# Allegro board 08_041351d.brd (continued)
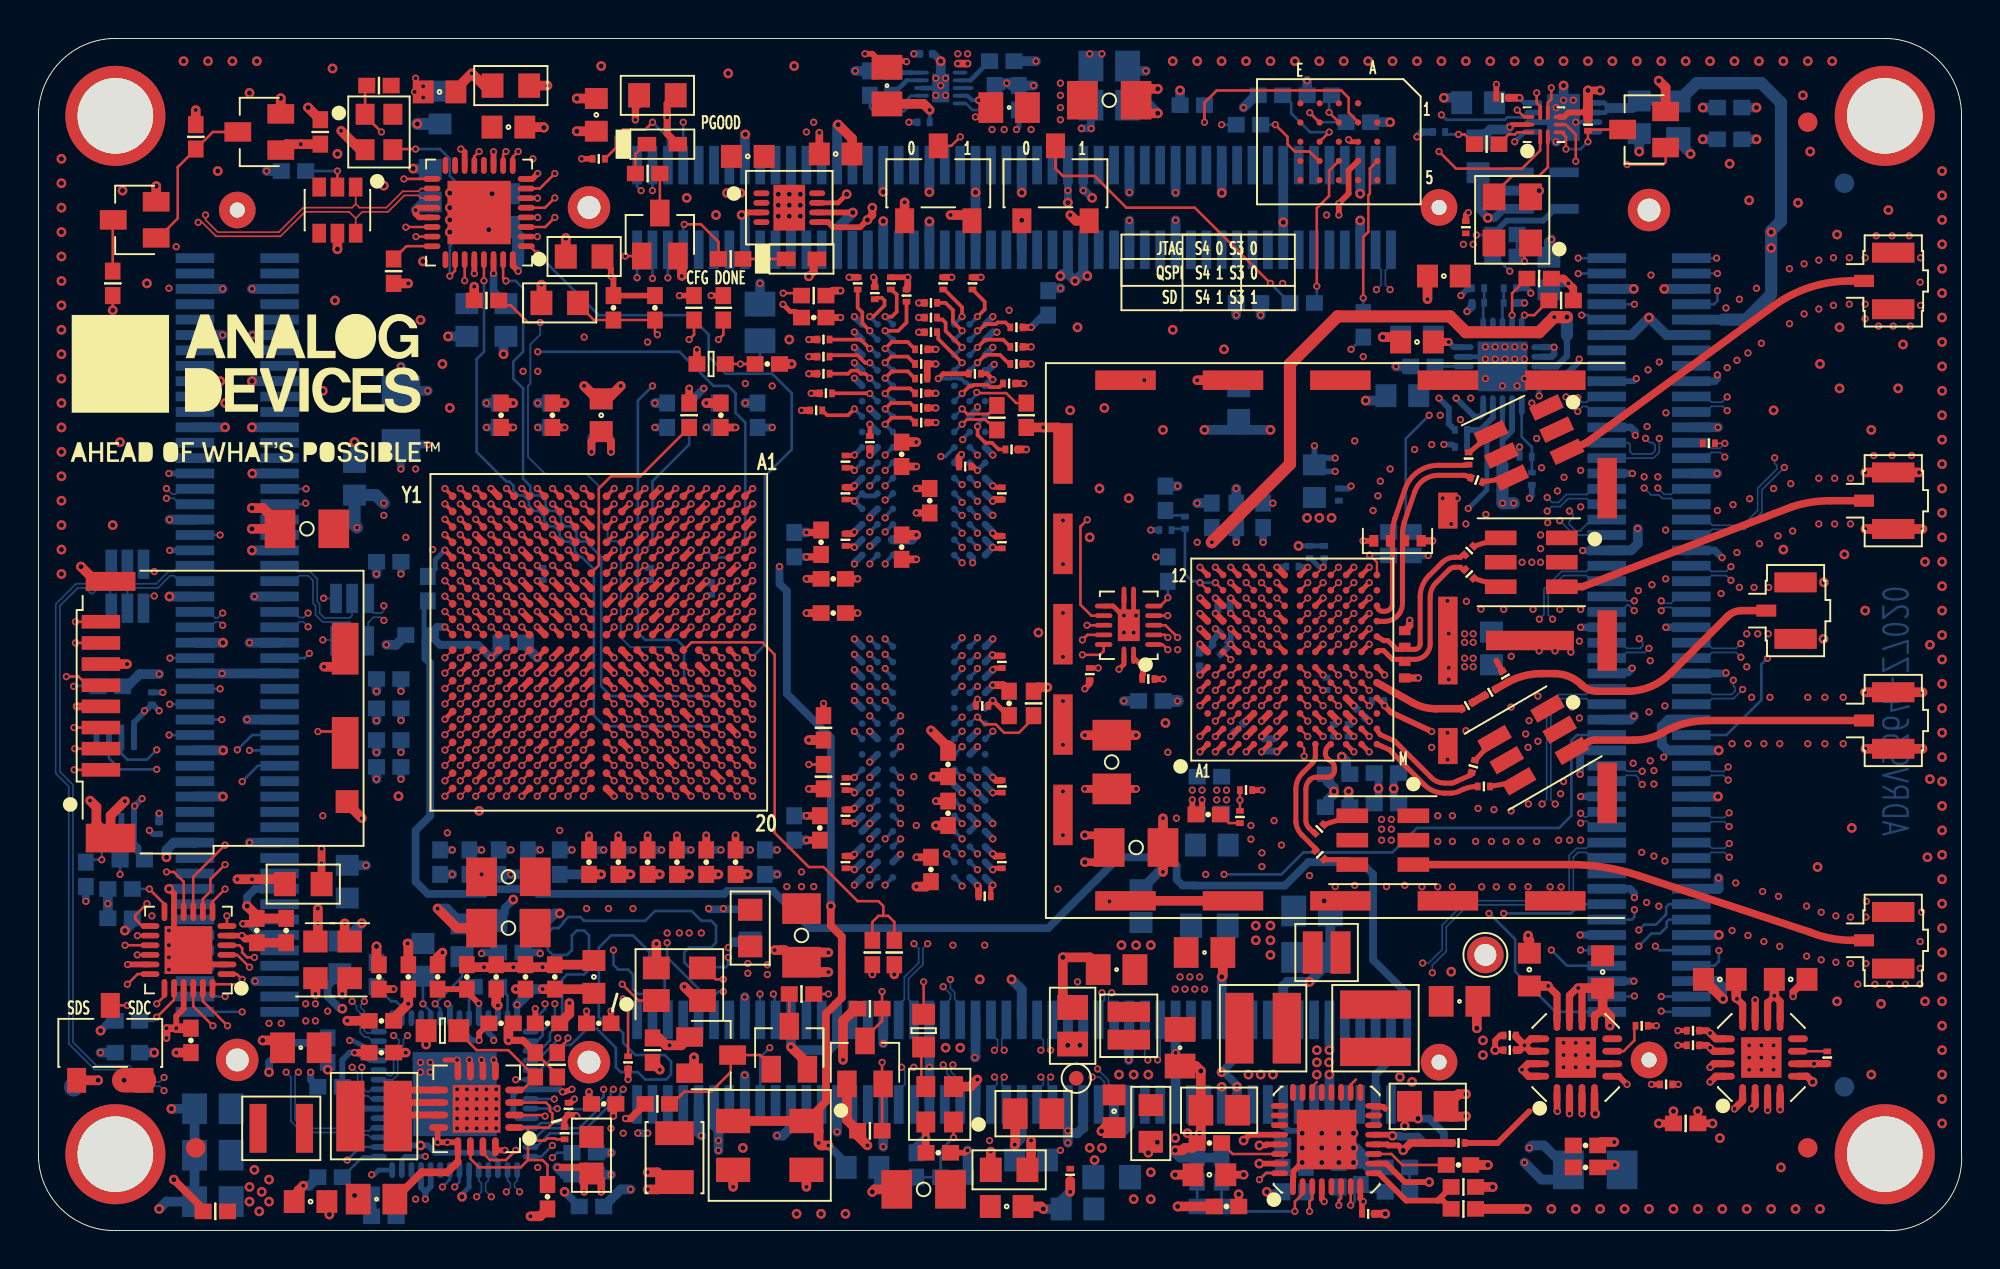
[diagram p0: board, top side]
## Routing (per net, layer and track width the routed paths; a pad name or vN(x,y) marks a point on that pad's centre or on a via; arc(x,y) is an arc through that point) (continued)
IO_L11_SRCC_34_JX4_P: length 94.1
  TOP w0.089: U1.U14 v1(23.54,27.39)
  L12_SIGNAL w0.089: v1(84.38,32.75) 84.25,32.62 83.82,32.62 83.54,32.34 83.54,31.36 84.32,30.59 84.32,29.64 81.28,26.6 81.28,18.47 75.49,12.68 69.12,12.68 68.1,13.7 63.68,13.7 63.17,14.21 58.47,14.21 55.91,11.64 45.47,11.64 44.6,10.78 34.95,10.78 29.87,15.86 24.69,15.86 23.67,16.87 23.67,22.2 23.87,22.39 23.87,27.09 23.57,27.39 v1(23.54,27.39)
  BOTTOM w0.089: v1(84.38,32.75) 84.51,32.62 84.89,32.62 85.24,32.97 JX4.45
IO_L12_MRCC_13_JX2_N: length 53.6
  TOP w0.089: U1.U10 v1(23.54,31.39)
  L12_SIGNAL w0.089: v1(45.52,8.49) 45.26,8.24 45.26,7.47 44.4,6.61 34.7,6.61 30.61,10.7 29.59,10.7 28.88,11.41 28.88,12.5 28.45,12.94 22.28,12.94 21.64,13.57 21.64,14.59 19.99,16.24 19.99,31.2 20.27,31.48 20.75,31.48 20.75,31.48 21,31.72 23.2,31.72 v1(23.54,31.39)
  BOTTOM w0.089: JX2.38 45.53,7.34 45.26,7.6 45.26,8.24 v1(45.52,8.49)
IO_L12_MRCC_13_JX2_P: length 53.6
  TOP w0.089: U1.T9 v1(24.34,32.19)
  L12_SIGNAL w0.089: v1(24.34,32.19) 23.87,31.72 23.87,31.35 23.87,31.25 23.67,31.05 20.95,31.05 20.77,31.22 20.37,31.22 20.25,31.1 20.25,16.34 21.9,14.69 21.9,13.68 22.38,13.19 28.55,13.19 29.14,12.61 29.14,11.52 29.7,10.95 30.71,10.95 34.8,6.86 44.3,6.86 44.96,7.53 44.96,8.42 v1(44.88,8.49)
  BOTTOM w0.089: JX2.36 44.73,7.28 45.05,7.6 45.05,8.33 v1(44.88,8.49)
IO_L12_MRCC_34_JX4_N: length 96.1
  TOP w0.089: v1(23.54,23.39) U1.U19
  L6_SIGNAL w0.089: v1(82.97,32.24) 82.76,32.46 82.01,32.46 81.26,31.71 81.26,22.85 82.98,21.13 82.98,19.82 79.49,16.32 79.49,12.49 79.02,12.02 64.74,12.02 61.34,8.62 61.32,8.62 61.09,8.39 61.09,7.81 59.92,6.64 34.74,6.64 30.72,10.65 29.54,10.65 28.97,11.22 28.97,12.5 25.77,15.7 24.97,15.7 23.93,16.75 23.93,19.92 23.42,20.43 23.42,22.21 23.17,22.46 23.17,22.97 23.54,23.34 v1(23.54,23.39)
  BOTTOM w0.089: v1(82.97,32.24) 82.68,32.53 82.6,32.53 82.24,32.17 JX4.48
IO_L12_MRCC_34_JX4_P: length 96.2
  TOP w0.089: U1.U18 v1(23.54,24.19)
  L6_SIGNAL w0.089: v1(82.98,32.75) 82.98,32.75 82.97,32.75 82.93,32.71 81.9,32.71 81,31.81 81,22.75 82.73,21.02 82.73,19.92 79.24,16.43 79.24,12.6 78.92,12.28 64.63,12.28 61.23,8.87 61.22,8.87 60.84,8.5 60.84,7.92 59.81,6.89 34.84,6.89 30.83,10.9 29.65,10.9 29.23,11.33 29.23,12.61 25.88,15.96 25.08,15.96 24.18,16.85 24.18,20.03 23.67,20.53 23.67,22.21 23.87,22.4 23.87,23.53 23.54,23.86 v1(23.54,24.19)
  BOTTOM w0.089: v1(82.98,32.75) 82.6,32.75 82.38,32.97 JX4.46
IO_L12_MRCC_35_DATA_CLK_N: length 54.2
  TOP w0.127: U1.K18 v1(29.94,24.19) ; U17.H11 v1(66.8,33.69)
  L3_SIGNAL w0.095: v1(29.94,24.19) 29.52,23.77 29.52,22.33 30.96,20.89 40.73,20.89 41.66,19.97 57.7,19.97 v1(59.17,21.44)
  L6_SIGNAL w0.095: v1(66.8,33.69) 66.35,34.14 64.19,34.14 64.06,34.01 64.06,22.46 63.36,21.76 59.49,21.76 v1(59.17,21.44)
IO_L12_MRCC_35_DATA_CLK_P: length 51.1
  TOP w0.127: U17.G11 v1(66,33.69) ; U1.K17 v1(29.94,24.99)
  L7_SIGNAL w0.095: v1(58.73,24.87) 58.73,23.98 54.66,19.92 54.15,19.92 53.34,19.1 45.82,19.1 45.79,19.07 45.5,19.07 45.47,19.1 38.33,19.1 37.26,20.17 36.15,20.17 35.39,20.94 32.69,20.94 31.93,21.7 31.93,24.37 31.65,24.65 31.39,24.65 31.2,24.85 31.2,25.04 30.86,25.38 30.28,25.38 29.94,25.04 v1(29.94,24.99)
  L12_SIGNAL w0.095: v1(66,33.69) 65.64,33.69 65.2,33.26 65.2,31.35 64.82,30.97 64.82,28.81 64.44,28.43 64.26,28.43 64.06,28.23 64.06,28.05 63.64,27.63 63.46,27.63 63.26,27.43 63.26,27.25 62.84,26.83 62.66,26.83 62.46,26.63 62.46,26.45 62.04,26.03 61.86,26.03 61.66,25.83 61.66,25.65 61.27,25.25 59.11,25.25 v1(58.73,24.87)
IO_L13_35_TX_D0_N: length 46.7
  TOP w0.089: U1.H17 v1(31.54,24.99) ; U17.E12 v1(63.6,34.49)
  L7_SIGNAL w0.089: v1(31.54,24.99) 31.54,25.05 31.2,25.38 31.2,25.93 31.4,26.12 31.4,26.12 31.53,26.25 31.67,26.25 32,26.58 32,26.73 32.2,26.92 37.27,26.92 37.47,26.73 37.47,26.42 37.9,25.99 37.9,25.11 39.27,23.73 42.12,23.73 42.29,23.9 43.37,23.9 43.54,23.73 43.99,23.73 44.63,24.37 52.14,24.37 52.57,24.79 52.57,26.19 53.65,27.26 53.65,32.98 55.06,34.4 58.22,34.4 59.23,35.41 62.03,35.41 62.61,34.83 62.94,34.83 63.27,34.49 v1(63.6,34.49)
IO_L13_35_TX_D0_P: length 46.7
  TOP w0.089: U1.H16 v1(31.54,25.79) ; U17.D11 v1(62.8,33.69)
  L7_SIGNAL w0.089: v1(31.54,25.79) 31.69,25.64 31.8,25.64 31.93,25.76 31.93,26.15 32.03,26.25 32.56,26.25 32.71,26.4 32.82,26.4 32.96,26.25 33.31,26.25 33.45,26.4 33.56,26.4 33.71,26.25 34.07,26.25 34.22,26.4 34.33,26.4 34.47,26.25 34.87,26.25 35,26.38 35.23,26.38 35.36,26.25 35.74,26.25 35.74,26.27 35.87,26.4 35.98,26.4 36.12,26.25 36.48,26.25 36.63,26.4 36.74,26.4 36.88,26.25 37.28,26.25 37.64,25.89 37.64,25 39.17,23.48 42.04,23.48 42.29,23.23 43.37,23.23 43.61,23.48 44.1,23.48 44.73,24.11 52.25,24.11 52.82,24.68 52.82,26.08 53.9,27.16 53.9,32.87 55.17,34.14 58.32,34.14 59.34,35.16 61.92,35.16 62.46,34.62 62.46,34.35 62.67,34.15 62.93,34.15 63.02,34.24 63.36,34.24 63.43,34.18 63.43,34 63.19,33.76 62.87,33.76 v1(62.8,33.69)
IO_L13_MRCC_13_JX2_N: length 49.3
  TOP w0.089: U1.Y6 v1(21.14,34.59)
  L15_SIGNAL w0.089: v1(47.42,13.06) 47.13,13.06 46.61,13.57 45.56,13.57 45.09,13.1 45.09,12.36 44.14,11.41 34.08,11.41 30.44,15.04 30.44,18.23 30.09,18.59 30.09,20.05 28.94,21.19 28.94,30.52 28.44,31.03 24.8,31.03 24.67,31.16 24.67,31.53 24.4,31.79 24.06,31.79 23.93,31.92 23.93,32.27 23.67,32.52 23.23,32.52 23.07,32.69 23.07,33.13 22.87,33.32 22.58,33.32 22.4,33.5 22.4,33.8 22.07,34.12 21.79,34.12 21.6,34.32 21.41,34.32 v1(21.14,34.59)
  BOTTOM w0.089: JX2.43 47.93,11.76 47.64,12.05 47.64,12.39 47.42,12.61 v1(47.42,13.06)
IO_L13_MRCC_13_JX2_P: length 49.3
  TOP w0.089: U1.Y7 v1(21.14,33.79)
  L15_SIGNAL w0.089: v1(21.14,33.79) 21.41,34.06 21.5,34.06 21.6,33.96 21.6,33.65 21.8,33.45 22.08,33.45 22.4,33.13 22.4,32.85 22.6,32.65 22.75,32.65 23.07,32.33 23.07,32.02 23.29,31.79 23.7,31.79 23.99,31.5 23.99,31.25 24.27,30.98 24.49,30.98 24.49,30.98 24.69,30.78 28.33,30.78 28.69,30.42 28.69,21.09 29.83,19.94 29.83,18.48 30.19,18.13 30.19,14.94 33.97,11.16 44.25,11.16 45.34,12.25 45.34,13 45.66,13.32 46.5,13.32 46.71,13.11 46.71,12.94 46.54,12.68 46.54,12.55 46.66,12.43 46.79,12.43 v1(47.04,12.68)
  BOTTOM w0.089: JX2.41 47.13,11.75 47.42,12.05 47.42,12.3 v1(47.04,12.68)
IO_L13_MRCC_34_JX4_N: length 83.7
  TOP w0.089: U1.P19 v1(25.94,23.39)
  L13_SIGNAL w0.089: v1(25.94,23.39) 26.18,23.64 26.31,23.64 26.4,23.54 26.4,23.25 26.6,23.05 27.04,23.05 27.2,22.89 27.2,22.45 27.48,22.17 27.62,22.17 28.73,21.06 34.87,21.06 40.46,15.48 44.4,15.48 45.32,16.39 67.34,16.39 68.05,17.1 79.48,17.1 80.9,18.52 80.9,29.73 82.58,31.41 83.43,31.41 85.03,29.82 v1(88.52,29.82)
  BOTTOM w0.089: v1(88.52,29.82) 88.27,30.06 87.03,30.06 86.74,29.77 JX4.53
IO_L13_MRCC_34_JX4_P: length 83.6
  TOP w0.089: U1.N18 v1(26.74,24.19)
  L13_SIGNAL w0.089: v1(88.52,30.53) 88.06,30.07 85.13,30.07 83.53,31.67 82.48,31.67 80.65,29.84 80.65,18.62 79.38,17.36 67.95,17.36 67.24,16.64 45.21,16.64 44.3,15.73 40.57,15.73 34.98,21.32 28.83,21.32 27.87,22.28 27.87,22.74 27.56,23.05 27.4,23.05 27.2,23.25 27.2,23.4 26.87,23.72 26.58,23.72 26.49,23.82 26.49,23.94 v1(26.74,24.19)
  BOTTOM w0.089: JX4.51 86.73,30.57 87.03,30.28 88.27,30.28 v1(88.52,30.53)
IO_L14_35_TX_D1_N: length 41.2
  TOP w0.089: U1.H18 v1(31.54,24.19) ; U17.E11 v1(63.6,33.69)
  L3_SIGNAL w0.089: v1(63.6,33.69) 63.6,33.68 63.2,33.28 63.2,32.63 63.06,32.49 60.17,32.49 59.96,32.71 59.69,32.71 58.9,33.5 57.02,33.5 56.76,33.23 42.08,33.23 39.32,30.47 39.32,27.32 38.74,26.74 37.8,26.74 37.67,26.61 37.67,26.47 37.39,26.19 32.11,26.19 31.93,26.02 31.93,24.45 31.84,24.37 31.71,24.37 v1(31.54,24.19)
IO_L14_35_TX_D1_P: length 41.1
  TOP w0.089: U17.D10 v1(62.8,32.89) ; U1.J18 v1(30.74,24.19)
  L3_SIGNAL w0.089: v1(30.74,24.19) 31.14,24.6 31.14,26.79 31.34,26.99 38.63,26.99 39.07,27.43 39.07,30.58 41.97,33.48 56.65,33.48 56.92,33.75 59.01,33.75 59.79,32.96 59.97,32.96 60.3,33.29 62.69,33.29 62.8,33.19 v1(62.8,32.89)
IO_L14_SRCC_13_JX2_N: length 57.1
  TOP w0.089: U1.Y8 v1(21.14,32.99)
  L12_SIGNAL w0.089: v1(47.55,8.62) 47.55,7.35 45.75,5.54 33.73,5.54 28.67,10.6 22.7,10.6 22.02,11.28 22.02,11.94 20.12,13.85 20.12,14.84 19.23,15.73 19.23,31.46 19.74,31.96 19.74,32.71 20.01,32.99 v1(21.14,32.99)
  BOTTOM w0.089: JX2.44 47.93,7.31 47.64,7.6 47.64,8.07 47.45,8.26 47.45,8.52 v1(47.55,8.62)
IO_L14_SRCC_13_JX2_P: length 57
  TOP w0.089: U1.Y9 v1(21.14,32.19)
  L12_SIGNAL w0.089: v1(47.04,8.62) 47.17,8.49 47.21,8.49 47.21,8.48 47.21,8.48 47.3,8.4 47.3,8.24 47.17,8.11 46.92,8.11 46.79,7.98 46.79,7.86 46.92,7.73 47.17,7.73 47.3,7.6 47.3,7.45 45.64,5.8 33.84,5.8 28.78,10.86 22.81,10.86 22.28,11.39 22.28,12.05 20.37,13.95 20.37,14.95 19.48,15.83 19.48,31.35 19.99,31.86 19.99,32.61 20.12,32.73 20.74,32.73 20.83,32.65 20.83,32.49 v1(21.14,32.19)
  BOTTOM w0.089: v1(47.04,8.62) 47.23,8.43 47.23,8.17 47.42,7.98 47.42,7.6 47.13,7.31 JX2.42
IO_L14_SRCC_34_JX4_N: length 81.1
  TOP w0.089: U1.P20 v1(25.94,22.59)
  L13_SIGNAL w0.089: v1(83.74,30.28) 83.25,29.79 82.48,29.79 82.09,29.4 82.09,18.09 80.19,16.19 77.27,16.19 76.79,15.7 67.69,15.7 64.92,12.94 62.99,12.94 61.39,14.54 59.14,14.54 58.55,13.95 54.36,13.95 53.8,13.39 52.04,13.39 51.81,13.62 45.46,13.62 44.22,14.87 39.9,14.87 37.39,17.38 32.18,17.38 31.55,18.02 31.55,18.65 31.17,19.03 27.48,19.03 25.94,20.58 v1(25.94,22.59)
  BOTTOM w0.089: v1(83.74,30.28) 83.53,30.06 82.56,30.06 82.27,29.77 JX4.54
IO_L14_SRCC_34_JX4_P: length 81.1
  TOP w0.089: U1.N20 v1(26.74,22.59)
  L13_SIGNAL w0.089: v1(83.24,30.78) 83.24,30.49 83.32,30.4 83.32,30.22 83.15,30.04 82.37,30.04 81.84,29.51 81.84,18.19 80.09,16.44 77.17,16.44 76.68,15.96 67.59,15.96 64.82,13.19 63.1,13.19 61.49,14.79 59.03,14.79 58.45,14.21 54.25,14.21 53.69,13.65 52.15,13.65 51.92,13.88 45.57,13.88 44.32,15.12 40.01,15.12 37.5,17.63 32.29,17.63 31.8,18.12 31.8,18.76 31.27,19.29 27.59,19.29 26.19,20.69 26.19,22.23 26.28,22.32 26.47,22.32 v1(26.74,22.59)
  BOTTOM w0.089: v1(83.24,30.78) 83.42,30.6 83.42,30.41 83.29,30.28 82.58,30.28 82.29,30.57 JX4.52
IO_L15_13_JX2_N: length 57.3
  TOP w0.089: U1.W8 v1(21.94,32.99)
  L4_SIGNAL w0.089: v1(21.94,32.99) 21.52,32.57 20.87,32.57 20.73,32.43 20.73,32.18 20.6,32.05 20.09,32.05 19.36,31.32 19.36,20.83 21.16,19.03 25.52,19.03 26.79,17.76 36.78,17.76 38.94,15.6 41.7,15.6 42.47,14.84 42.47,8.49 43.23,7.73 47.86,7.73 48.48,8.35 49.88,8.35 50.22,8.68 v1(50.22,9.38)
  BOTTOM w0.089: JX2.49 50.33,10.19 50.09,9.95 50.09,9.51 v1(50.22,9.38)
IO_L15_13_JX2_P: length 57.3
  TOP w0.089: U1.V8 v1(22.74,32.99)
  L4_SIGNAL w0.089: v1(22.74,32.99) 22.34,32.59 22.34,32.07 22.07,31.79 20.19,31.79 19.61,31.21 19.61,20.94 21.26,19.29 25.62,19.29 26.89,18.02 36.88,18.02 39.04,15.86 41.81,15.86 42.72,14.94 42.72,8.6 43.34,7.98 47.75,7.98 48.38,8.6 49.78,8.6 49.96,8.79 49.96,9.13 v1(49.71,9.38)
  BOTTOM w0.089: JX2.47 49.53,10.26 49.87,9.91 49.87,9.54 v1(49.71,9.38)
IO_L15_34_JX4_N: length 87.5
  TOP w0.089: U1.U20 v1(23.54,22.59)
  L7_SIGNAL w0.089: v1(23.54,22.59) 23.54,16.5 24.18,15.86 26.49,15.86 27.38,14.97 31.24,14.97 32.63,13.57 33.58,13.57 34.47,12.68 34.47,11.92 35.49,10.9 40.44,10.9 40.95,11.41 65.94,11.41 71.28,16.75 73.59,16.75 74.28,17.44 74.28,22.29 74.71,22.71 78.03,22.71 80.32,25 85.47,25 v1(88.61,28.14)
  BOTTOM w0.089: v1(88.61,28.14) 88.14,27.66 87.03,27.66 86.74,27.37 JX4.59
IO_L15_34_JX4_P: length 87.5
  TOP w0.089: U1.T20 v1(24.34,22.59)
  L7_SIGNAL w0.089: v1(88.13,28.62) 88.13,28.01 85.37,25.25 80.21,25.25 77.92,22.97 74.6,22.97 74.03,22.4 74.03,17.55 73.48,17 71.17,17 65.84,11.67 40.84,11.67 40.33,11.16 35.59,11.16 34.72,12.02 34.72,12.79 33.69,13.82 32.74,13.82 31.34,15.22 27.48,15.22 26.6,16.11 24.29,16.11 23.79,16.61 23.79,22.28 23.92,22.41 24.16,22.41 v1(24.34,22.59)
  BOTTOM w0.089: v1(88.13,28.62) 88.13,28.34 88.23,28.24 88.23,28.06 88.05,27.88 87.04,27.88 86.75,28.17 JX4.57
IO_L15_35_TX_D2_N: length 54.5
  TOP w0.089: U17.E10 v1(63.6,32.89) ; v1(33.14,22.59) U1.F20
  L6_SIGNAL w0.089: v1(63.6,32.89) 63.81,32.68 63.81,32.62 63.68,32.49 63.17,32.49 63.09,32.58 63.09,32.71 63.13,32.75 63.13,33.03 62.94,33.23 62.66,33.23 62.33,33.55 62.33,33.83 62.14,34.03 59.86,34.03 59.85,34.02 58.49,34.02 57.8,33.32 57.8,28.33 52.19,22.71 52.19,16.05 50.6,14.46 42.26,14.46 41.37,15.35 40.92,15.35 39.91,16.36 37.01,16.36 35.61,17.76 33.77,17.76 33.26,18.27 33.26,19.95 32.68,20.53 32.68,21.69 32.95,21.96 32.95,22.4 v1(33.14,22.59)
IO_L15_35_TX_D2_P: length 54.4
  TOP w0.089: v1(33.14,23.39) U1.F19 ; U17.D9 v1(62.8,32.09)
  L6_SIGNAL w0.089: v1(33.14,23.39) 32.69,22.94 32.69,22.07 32.42,21.8 32.42,20.42 33.01,19.84 33.01,18.17 33.67,17.51 35.51,17.51 36.9,16.11 39.8,16.11 40.82,15.09 41.26,15.09 42.15,14.21 50.7,14.21 52.44,15.94 52.44,22.61 58.05,28.22 58.05,33.22 58.6,33.76 59.85,33.76 60.26,33.36 62.17,33.36 62.44,33.09 62.44,32.77 62.66,32.56 62.72,32.56 62.91,32.37 62.91,32.21 v1(62.8,32.09)
IO_L16_13_JX2_N: length 49.7
  TOP w0.089: U1.W9 v1(21.94,32.19)
  L15_SIGNAL w0.089: v1(50.22,7.98) 49.96,8.24 49.96,8.48 49.33,9.12 49.33,9.61 48.29,10.65 33.62,10.65 30.38,13.89 29.9,13.89 29.2,14.59 29.2,17.38 28.69,17.89 28.69,19.86 28.06,20.49 28.06,21.25 27.67,21.63 27.67,22.02 27.93,22.27 27.93,29.89 27.42,30.4 24.4,30.4 23.79,31.01 22.51,31.01 22.3,31.21 22.3,31.82 v1(21.94,32.19)
  BOTTOM w0.089: JX2.50 50.33,7.36 50.09,7.6 50.09,7.86 v1(50.22,7.98)
IO_L16_13_JX2_P: length 49.8
  TOP w0.089: U1.W10 v1(21.94,31.39)
  L15_SIGNAL w0.089: v1(49.71,7.98) 49.71,8.38 49.07,9.01 49.07,9.51 48.19,10.4 33.52,10.4 30.28,13.63 29.79,13.63 28.94,14.48 28.94,17.28 28.44,17.78 28.44,19.75 27.8,20.39 27.8,21.15 27.42,21.53 27.42,22.02 27.17,22.27 27.17,30.02 27.04,30.14 24.29,30.14 23.68,30.75 22.05,30.75 21.52,31.29 21.52,31.68 21.63,31.79 21.82,31.79 21.94,31.68 v1(21.94,31.39)
  BOTTOM w0.089: JX2.48 49.53,7.29 49.84,7.6 49.84,7.86 v1(49.71,7.98)
IO_L16_34_JX4_N: length 90
  TOP w0.089: v1(21.94,22.59) U1.W20
  L7_SIGNAL w0.089: v1(21.94,22.59) 21.94,16.07 23.04,14.97 26.21,14.97 27.23,13.95 31.17,13.95 35.1,10.01 40.82,10.01 41.52,10.71 66.39,10.71 68.28,12.61 76.47,12.61 77.63,13.76 80.71,13.76 81.97,15.02 81.97,18.68 81.39,19.26 79.05,19.26 78.6,19.71 78.6,20.67 78.87,20.93 v1(78.87,22.18)
  BOTTOM w0.089: v1(78.87,22.18) 78.64,22.41 78.64,27.16 79.14,27.66 80.48,27.66 80.78,27.37 JX4.60
IO_L16_34_JX4_P: length 90
  TOP w0.089: U1.V20 v1(22.74,22.59)
  L7_SIGNAL w0.089: v1(78.18,22.18) 78.39,21.98 78.51,21.98 78.61,21.88 78.61,21.04 78.35,20.77 78.35,19.6 78.94,19.01 81.28,19.01 81.71,18.57 81.71,15.12 80.6,14.01 77.52,14.01 76.37,12.86 68.18,12.86 66.28,10.97 41.41,10.97 40.71,10.27 35.21,10.27 31.27,14.21 27.34,14.21 26.32,15.22 23.14,15.22 22.19,16.18 22.19,22.04 v1(22.74,22.59)
  BOTTOM w0.089: v1(78.18,22.18) 78.42,22.42 78.42,27.25 79.05,27.88 80.46,27.88 80.76,28.17 JX4.58
IO_L16_35_TX_D3_N: length 52.9
  TOP w0.089: U17.E9 v1(63.6,32.09) ; U1.G18 v1(32.34,24.19)
  L12_SIGNAL w0.089: v1(63.6,32.09) 63.55,32.05 63.55,31.86 63.43,31.73 63.3,31.73 63.13,31.9 63.13,32.23 63.09,32.28 62.96,32.41 62.94,32.43 62.79,32.43 62.46,32.75 62.46,32.9 62.14,33.23 61.98,33.23 61.66,33.55 61.66,33.7 61.34,34.03 60.26,34.03 59.99,33.76 58.35,33.76 57.84,33.26 57.84,28.18 56.06,26.4 51.89,26.4 50.22,24.72 50.22,17.94 49.4,17.13 44.76,17.13 43.99,16.36 40.67,16.36 39.65,17.38 38.91,17.38 37.06,19.24 37.04,19.26 37.01,19.29 37,19.3 35.74,20.56 35.73,20.56 35.71,20.59 35.7,20.6 34.85,21.44 33.05,21.44 32.44,22.06 32.44,22.21 32.69,22.46 32.69,23.86 32.36,24.19 v1(32.34,24.19)
IO_L16_35_TX_D3_P: length 52.9
  TOP w0.089: U1.G17 v1(32.34,24.99) ; U17.D8 v1(62.8,31.29)
  L12_SIGNAL w0.089: v1(62.8,31.29) 62.8,31.62 62.46,31.95 62.46,32.1 62.14,32.43 61.99,32.43 61.66,32.75 61.66,32.96 61.27,33.36 60.14,33.36 59.99,33.51 58.45,33.51 58.09,33.15 58.09,28.07 56.16,26.14 52,26.14 50.47,24.62 50.47,17.84 49.51,16.87 44.86,16.87 44.1,16.11 40.57,16.11 39.55,17.13 38.81,17.13 36.87,19.07 36.85,19.09 36.85,19.09 36.84,19.1 35.55,20.39 35.54,20.39 35.53,20.4 35.53,20.41 34.74,21.19 32.95,21.19 32.18,21.95 32.18,22.21 32,22.39 32,24.33 32.34,24.66 v1(32.34,24.99)
IO_L17_13_JX2_N: length 55.6
  TOP w0.089: U1.U8 v1(23.54,32.99)
  L4_SIGNAL w0.089: v1(23.54,32.99) 23.95,32.57 23.95,31.26 23.68,30.98 23.36,30.98 22.71,30.33 20.92,30.33 20.44,29.85 20.44,22.63 22.26,20.81 26.19,20.81 27.72,19.29 37.37,19.29 38.03,18.63 38.03,18.02 38.53,17.51 40.91,17.51 40.93,17.53 41.47,17.53 41.49,17.51 47.93,17.51 52.63,12.81 v1(52.63,9.38)
  BOTTOM w0.089: v1(52.63,9.38) 52.48,9.53 52.48,9.93 52.73,10.17 JX2.55
IO_L17_13_JX2_P: length 55.7
  TOP w0.089: U1.U9 23.93,31.79 23.54,32.18 v1(23.54,32.19)
  L4_SIGNAL w0.089: v1(52.12,9.38) 51.85,9.65 51.85,9.83 52,9.98 52.25,9.98 52.38,10.1 52.38,12.7 47.83,17.25 41.38,17.25 41.37,17.27 41.03,17.27 41.02,17.25 38.43,17.25 37.77,17.91 37.77,18.52 37.26,19.03 27.61,19.03 26.09,20.56 22.15,20.56 20.18,22.52 20.18,29.95 20.82,30.59 22.61,30.59 23.12,31.1 23.12,32.43 23.24,32.56 23.41,32.56 23.54,32.43 v1(23.54,32.19)
  BOTTOM w0.089: v1(52.12,9.38) 52.25,9.51 52.25,9.89 51.93,10.21 JX2.53
IO_L17_34_JX4_N: length 96.4
  TOP w0.089: U1.Y19 v1(21.14,23.39)
  L7_SIGNAL w0.089: v1(21.14,23.39) 20.86,23.66 20.86,23.85 20.77,23.93 20.58,23.93 20.5,23.86 20.5,23.35 20.37,23.22 20.25,23.22 20.12,23.35 20.12,23.81 19.99,23.93 19.84,23.93 19.61,23.7 19.61,17.23 22.02,14.82 22.02,13.95 22.66,13.32 29.28,13.32 29.54,13.57 30.64,13.57 35.34,8.87 40.46,8.87 41.92,10.33 68.39,10.33 69.83,11.77 80.67,11.77 82.6,13.7 84.63,13.7 88.8,17.86 88.8,23.64 88.59,23.86 88.29,23.86 v1(87.86,23.43)
  BOTTOM w0.089: JX4.69 86.69,23.37 86.98,23.66 87.62,23.66 v1(87.86,23.43)
IO_L17_34_JX4_P: length 96.4
  TOP w0.089: U1.Y18 v1(21.14,24.19)
  L7_SIGNAL w0.089: v1(21.14,24.19) 19.74,24.19 19.36,23.81 19.36,17.13 21.77,14.71 21.77,13.85 22.55,13.06 29.39,13.06 29.64,13.32 30.53,13.32 35.23,8.62 40.57,8.62 42.03,10.08 68.5,10.08 69.93,11.51 80.78,11.51 82.71,13.44 84.74,13.44 89.05,17.76 89.05,23.75 88.69,24.11 v1(87.86,24.11)
  BOTTOM w0.089: v1(87.86,24.11) 87.63,23.88 86.99,23.88 86.7,24.17 JX4.67
IO_L17_35_TX_D4_N: length 54.7
  TOP w0.089: U17.E8 v1(63.6,31.29) ; U1.H20 v1(31.54,22.59)
  L6_SIGNAL w0.089: v1(63.6,31.29) 63.22,31.67 60.3,31.67 59.62,30.99 59.62,26.69 54.98,22.06 54.98,17.63 51.23,13.89 51.23,12.94 50.34,12.05 42.45,12.05 41.43,13.06 40.54,13.06 39.93,13.68 39.93,14.87 39.32,15.48 35.49,15.48 34.22,16.75 33.45,16.75 31.93,18.27 31.93,19.77 31.26,20.44 31.26,22.32 v1(31.54,22.59)
IO_L17_35_TX_D4_P: length 54.8
  TOP w0.089: v1(30.74,22.59) U1.J20 ; U17.D7 v1(62.8,30.49)
  L6_SIGNAL w0.089: v1(30.74,22.59) 31.01,22.32 31.01,20.33 31.68,19.67 31.68,18.16 33.35,16.49 34.11,16.49 35.38,15.22 39.22,15.22 39.68,14.76 39.68,13.57 40.44,12.81 41.33,12.81 42.34,11.79 50.45,11.79 51.49,12.83 51.49,13.78 55.23,17.53 55.23,21.95 59.87,26.59 59.87,30.88 59.94,30.96 62.93,30.96 63.04,30.84 63.04,30.74 v1(62.8,30.49)
IO_L18_13_JX2_N: length 54.7
  TOP w0.089: U1.Y11 v1(21.14,29.79)
  L13_SIGNAL w0.089: v1(52.63,7.98) 52.38,7.73 52.38,7.24 51.24,6.1 33.73,6.1 29.14,10.7 29.14,11.44 27.51,13.06 25.85,13.06 24.71,14.21 23.8,14.21 19.61,18.4 19.61,21.31 19.23,21.69 19.23,28.92 20.01,29.7 20.55,29.7 20.64,29.79 v1(21.14,29.79)
  BOTTOM w0.089: v1(52.63,7.98) 52.5,7.86 52.5,7.54 52.73,7.31 JX2.56
IO_L18_13_JX2_P: length 54.7
  TOP w0.089: U1.W11 v1(21.94,29.79)
  L13_SIGNAL w0.089: v1(21.94,29.79) 21.9,29.83 21.9,29.95 21.77,30.08 21.64,30.08 21.52,29.95 21.52,29.7 21.47,29.66 21.47,29.65 21.27,29.45 20.12,29.45 19.48,28.81 19.48,21.79 19.86,21.41 19.86,18.5 23.91,14.46 24.82,14.46 25.96,13.32 27.62,13.32 29.39,11.54 29.39,10.81 33.84,6.36 51.13,6.36 52.12,7.35 v1(52.12,7.98)
  BOTTOM w0.089: JX2.54 51.93,7.28 52.25,7.6 52.25,7.86 v1(52.12,7.98)
IO_L18_34_JX4_N: length 95.8
  TOP w0.089: U1.W16 v1(21.94,25.79)
  L6_SIGNAL w0.089: v1(21.94,25.79) 21.6,25.45 21.6,22.28 20.66,21.35 20.66,18.33 25.24,13.75 25.24,11.12 25.85,10.52 28.78,10.52 33.48,5.82 63.53,5.82 64.8,7.09 68.74,7.09 72.67,11.03 79.58,11.03 82.38,13.82 84.61,13.82 85.24,14.46 85.24,20.34 82.89,22.69 82.89,23.03 83.06,23.2 v1(83.39,23.2)
  BOTTOM w0.089: JX4.70 82.28,23.37 82.58,23.67 83.07,23.67 83.2,23.54 83.2,23.39 v1(83.39,23.2)
IO_L18_34_JX4_P: length 95.8
  TOP w0.089: U1.V16 v1(22.74,25.79)
  L6_SIGNAL w0.089: v1(22.74,25.79) 22.46,25.79 22.34,25.67 22.34,22.32 22.04,22.02 21.69,22.02 20.92,21.24 20.92,18.44 25.5,13.86 25.5,11.23 25.95,10.78 28.89,10.78 33.58,6.08 63.43,6.08 64.7,7.35 68.63,7.35 72.57,11.28 79.48,11.28 82.27,14.08 84.5,14.08 84.99,14.56 84.99,20.23 82.64,22.58 82.64,23.14 v1(83.39,23.89)
  BOTTOM w0.089: v1(83.39,23.89) 82.59,23.89 82.3,24.17 JX4.68
IO_L18_35_TX_D5_N: length 43
  TOP w0.089: U17.F8 v1(64.4,31.29) ; v1(32.34,22.59) U1.G20
  L3_SIGNAL w0.089: v1(64.4,31.29) 64.01,30.97 64.01,30.32 63.78,30.09 61.12,30.09 60.43,29.41 58.27,29.41 57.84,29.84 55.95,29.84 55.36,30.42 55.36,31.43 54.8,31.99 54.14,31.99 53.51,31.35 52.53,31.35 51.87,32.01 43.59,32.01 42.97,31.39 41.47,31.39 40.36,30.28 40.36,26.75 38.18,24.57 37.79,24.57 37.79,24.57 34.47,24.57 34.34,24.44 34.34,23.98 34.16,23.81 33.72,23.81 33.71,23.8 33.7,23.8 33.54,23.64 33.54,23.19 33.34,22.99 32.74,22.99 v1(32.34,22.59)
IO_L18_35_TX_D5_P: length 43
  TOP w0.089: U1.G19 v1(32.34,23.39) ; U17.E7 v1(63.6,30.49)
  L3_SIGNAL w0.089: v1(63.6,30.49) 63.6,30.8 63.49,30.91 61.89,30.91 61.33,30.35 61.01,30.35 60.33,29.66 58.37,29.66 57.94,30.09 56.05,30.09 55.61,30.53 55.61,31.53 54.91,32.24 54.04,32.24 53.4,31.6 52.63,31.6 51.97,32.26 43.49,32.26 42.86,31.64 41.36,31.64 40.11,30.39 40.11,26.85 38.08,24.82 37.9,24.82 37.75,24.98 37.75,25.12 37.47,25.39 34.59,25.39 34.32,25.12 34.32,24.78 34.14,24.59 33.81,24.59 33.53,24.32 33.53,23.98 33.35,23.81 32.09,23.81 31.95,23.67 31.95,23.52 32.08,23.39 v1(32.34,23.39)
IO_L19_13_JX2_N: length 56.9
  TOP w0.089: U1.U5 23.93,34.99 v1(23.53,35.39)
  L6_SIGNAL w0.089: v1(23.53,35.39) 23.17,35.03 23.17,34.4 22.89,34.12 22.6,34.12 22.4,33.93 22.4,31.25 22.66,30.99 22.66,30.19 22.4,29.93 22.4,27.25 22.6,27.05 22.89,27.05 23.2,26.75 23.2,26.45 23.4,26.25 23.69,26.25 24,25.95 24,25.65 24.2,25.45 24.49,25.45 24.8,25.14 24.8,24.85 25,24.65 25.29,24.65 25.6,24.35 25.6,24.05 25.8,23.85 25.95,23.85 26.34,23.46 26.34,22.24 26.48,22.1 26.48,20.12 28.88,17.72 28.88,16.62 30.58,14.92 30.58,14.43 34.87,10.14 54.92,10.14 55.81,11.03 v1(55.81,12.36)
  BOTTOM w0.089: JX2.63 55.93,11.67 55.64,11.96 55.64,12.2 v1(55.81,12.36)
IO_L19_13_JX2_P: length 56.9
  TOP w0.089: U1.T5 v1(24.34,35.39)
  L6_SIGNAL w0.089: v1(55.3,12.36) 55.55,12.11 55.55,11.92 55.42,11.79 55.22,11.79 55.09,11.67 55.09,11.54 55.22,11.41 55.42,11.41 55.55,11.28 55.55,11.14 54.81,10.4 34.98,10.4 30.84,14.54 30.84,15.02 29.14,16.72 29.14,17.83 26.74,20.23 26.74,22.04 27.07,22.38 27.07,23.53 26.87,23.72 26.58,23.72 26.34,23.97 26.34,24.26 26.07,24.52 25.78,24.52 25.47,24.83 25.47,25.13 25.28,25.32 24.98,25.32 24.67,25.63 24.67,25.93 24.47,26.12 24.18,26.12 23.87,26.43 23.87,26.73 23.67,26.92 23.38,26.92 23.07,27.23 23.07,30.03 22.91,30.19 22.91,30.99 23.07,31.15 23.07,33.94 23.38,34.25 23.67,34.25 23.86,34.45 23.86,34.74 24.34,35.21 v1(24.34,35.39)
  BOTTOM w0.089: v1(55.3,12.36) 55.42,12.24 55.42,11.98 55.13,11.69 JX2.61
IO_L19_34_JX4_N: length 85.4
  TOP w0.089: U1.R17 v1(25.14,24.99)
  L13_SIGNAL w0.089: v1(25.14,24.99) 25.14,24.66 24.8,24.33 24.8,22.45 25,22.25 25.03,22.25 25.07,22.21 25.07,19.29 26.6,17.76 30.53,17.76 32.31,15.98 37.64,15.98 39.17,14.46 39.17,12.43 40.06,11.54 44.91,11.54 45.29,11.92 54.18,11.92 55.1,12.83 56.67,12.83 58.6,10.9 73.2,10.9 74.22,11.92 81.33,11.92 83.24,13.82 84.25,13.82 85.52,15.09 85.52,21.06 85.93,21.47 87.58,21.47 87.71,21.34 87.71,21.22 v1(87.91,21.01)
  BOTTOM w0.089: JX4.75 86.69,20.97 86.98,21.26 87.66,21.26 v1(87.91,21.01)
IO_L19_34_JX4_P: length 85.5
  TOP w0.089: U1.R16 v1(25.14,25.79)
  L13_SIGNAL w0.089: v1(87.91,21.72) 85.82,21.72 85.27,21.17 85.27,15.2 84.15,14.08 83.13,14.08 81.23,12.17 74.11,12.17 73.1,11.16 58.7,11.16 56.77,13.09 54.99,13.09 54.08,12.17 45.19,12.17 44.81,11.79 40.16,11.79 39.42,12.53 39.42,14.56 37.75,16.24 32.42,16.24 30.64,18.02 26.7,18.02 25.33,19.39 25.33,22.3 25.47,22.45 25.47,24.33 25.45,24.35 25.45,24.83 25.47,24.85 25.47,25.13 25.14,25.46 v1(25.14,25.79)
  BOTTOM w0.089: v1(87.91,21.72) 87.67,21.48 86.97,21.48 86.68,21.77 JX4.73
IO_L19_35_CTRL_OUT0: length 34.9
  TOP w0.127: U1.H15 v1(31.54,26.59) ; U17.D4 v1(62.8,27.29)
  L4_SIGNAL w0.095: v1(31.54,26.59) 31.17,26.96 31.17,27.6 31.36,27.79 40.72,27.79 40.83,27.9 46.49,27.9 47.23,27.16 57.08,27.16 57.84,27.92 59.55,27.92 59.81,27.67 62.16,27.67 62.53,27.29 v1(62.8,27.29)
IO_L19_35_CTRL_OUT1: length 35.6
  TOP w0.127: U17.E6 v1(63.6,28.89) ; v1(32.34,26.59) U1.G15
  L4_SIGNAL w0.095: v1(63.6,28.89) 63.94,28.55 63.94,27.15 63.74,26.95 58.39,26.95 57.77,26.33 46.79,26.33 45.96,27.16 41.9,27.16 41.77,27.03 32.69,27.03 32.34,26.68 v1(32.34,26.59)
IO_L20_13_JX2_N: length 54.7
  TOP w0.089: U1.Y13 v1(21.14,28.19)
  L13_SIGNAL w0.089: v1(55.07,8.41) 55.02,8.35 54.78,8.35 54.39,8.74 51.89,8.74 50.54,7.4 35.06,7.4 33.66,8.8 33.66,9.82 31.47,12 31.47,12.66 30.69,13.44 28.61,13.44 26.95,15.09 24.29,15.09 20.75,18.63 20.75,22.44 20.37,22.82 20.37,28.45 20.66,28.73 20.83,28.73 21.14,28.43 v1(21.14,28.19)